# Altium PCB 28Pins_Project_PCB.PcbDoc
Units mm, origin at the board's own origin, x right, y up, seen from the top; angles counter-clockwise.
Board outline 68.58 x 53.34 mm, 2 copper layers (Top Layer, Bottom Layer); 105 components, 71 nets, 322 pads, 54 vias.
Unrouted connection lines stored in the file: 61.
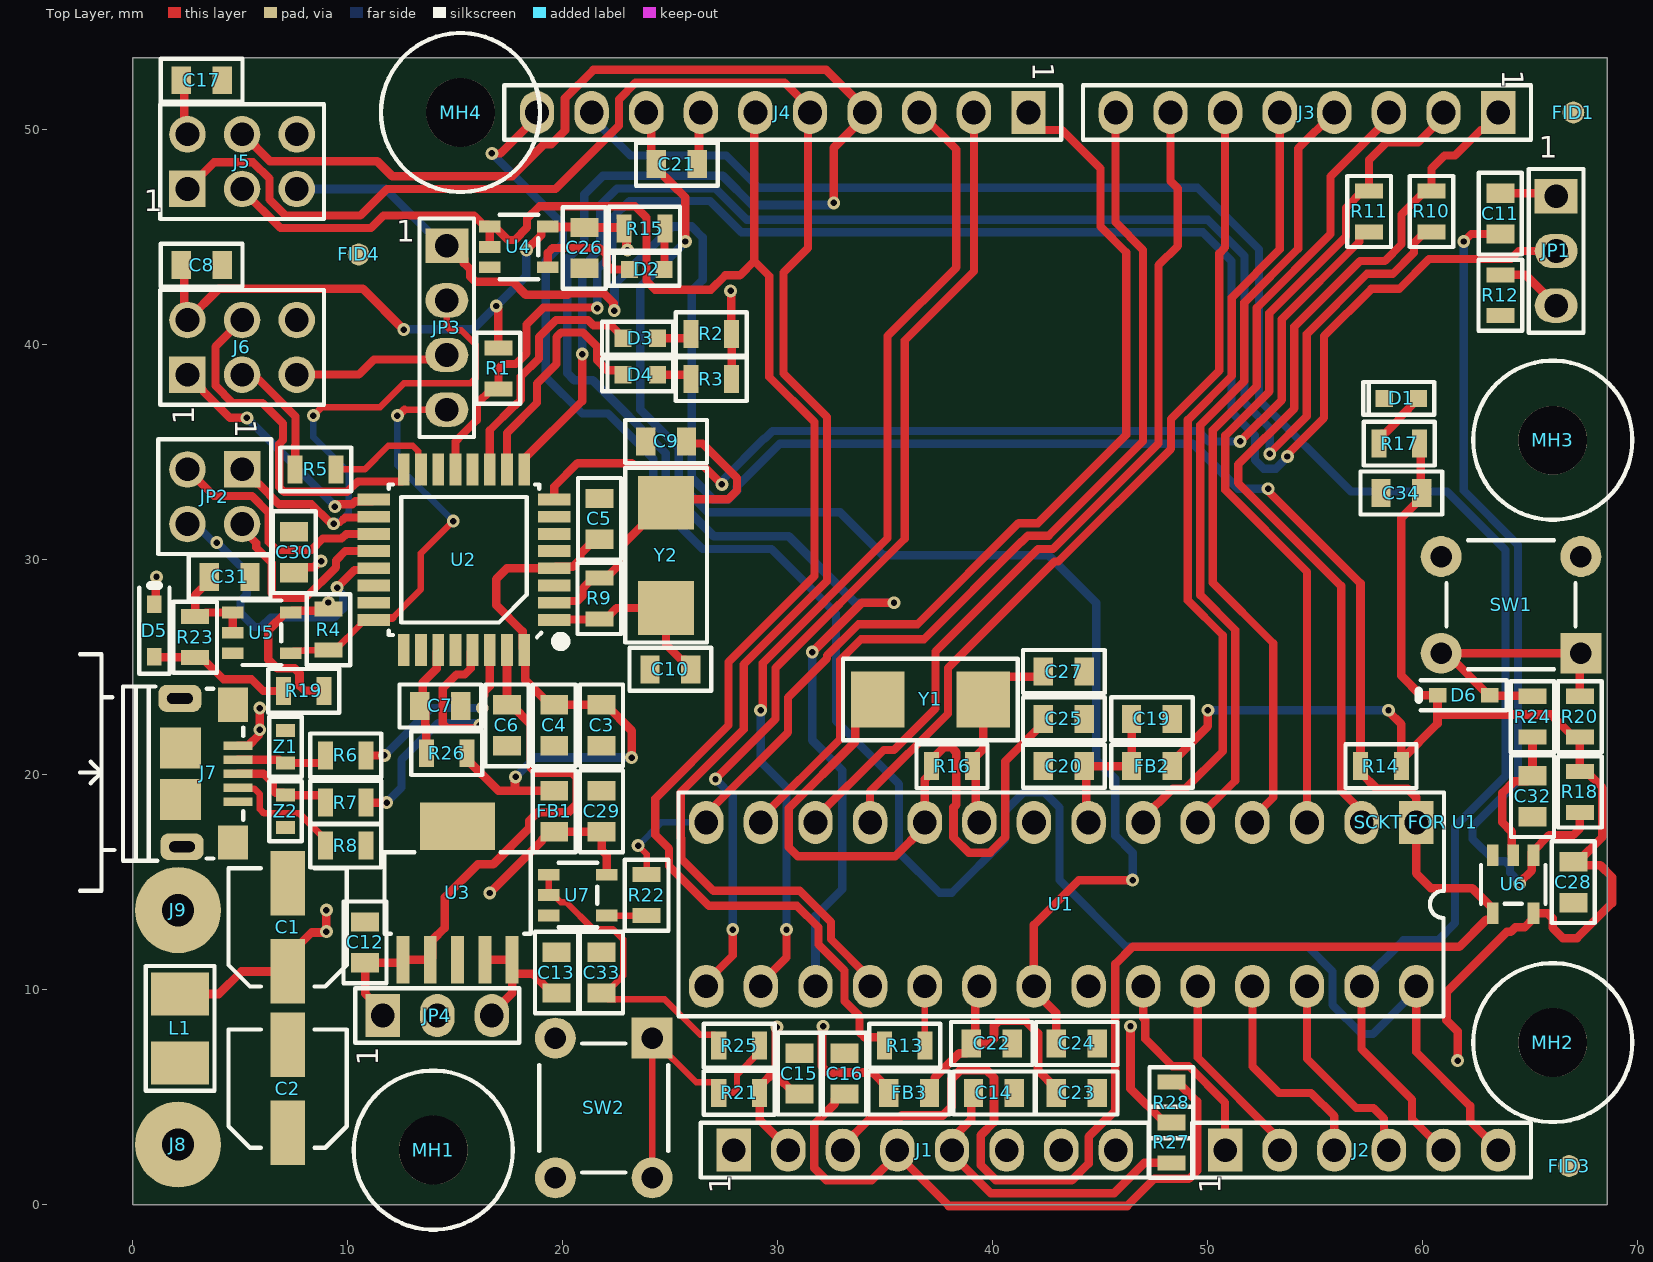
[diagram p0: Top Layer view]
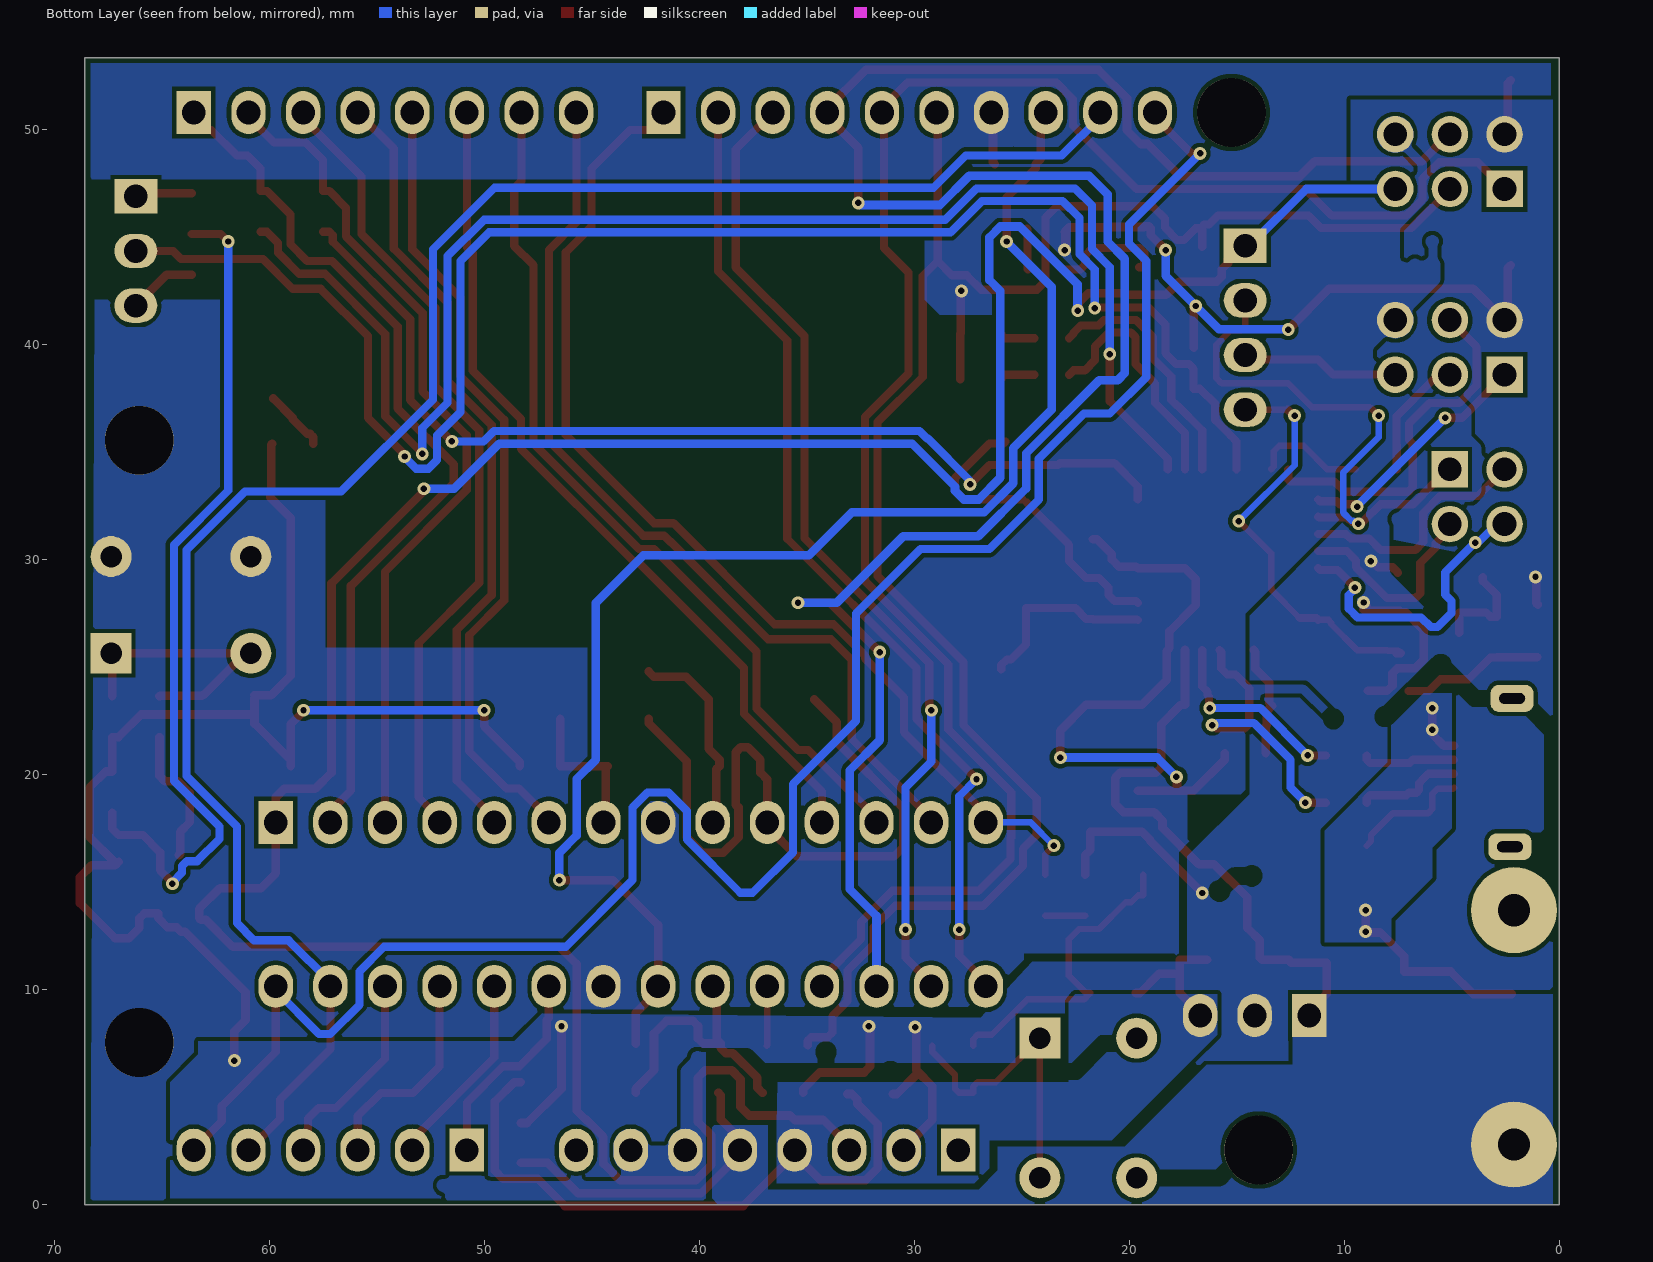
[diagram p1: Bottom Layer view, seen from below]

## Layer stack, top to bottom
Top Solder: solder mask 0.0102, Solder Resist, Dk 3.5
Top Layer: signal copper 0.0356
Dielectric 1: dielectric 0.32, FR-4, Dk 4.8
Bottom Layer: signal copper 0.0356
Bottom Solder: solder mask 0.0102, Solder Resist, Dk 3.5

## Board outline
68.58,0 68.58,53.34 0,53.34 0,0

## Design rules (kind name [scope] priority, off if disabled: settings)
Clearance [All] p1: gap=0.2 ignorepadtopadclearanceinfootprint=FALSE
ComponentClearance "SW2 and FID1" [InComponent('SW2') vs InComponent('FID1')] p1: gap=0 collisioncheckmode=3 verticalgap=0 showdistances=FALSE
ComponentClearance "Power Resistors" [InComponent('R27') vs InComponent('R28')] p2: gap=0 collisioncheckmode=3 verticalgap=0 showdistances=FALSE
ComponentClearance "MH4 to FID4 and J4" [InComponent('MH4') vs InComponent('FID4') or InComponent('J4')] p3: gap=0 collisioncheckmode=3 verticalgap=0 showdistances=FALSE
ComponentClearance "DIP SOCKET to MH2 and U1" [InComponent('SCKT FOR U1') vs InComponent('MH2') or InComponent('U1')] p4: gap=0 collisioncheckmode=3 verticalgap=0 showdistances=FALSE
ComponentClearance "MH2 to J2" [InComponent('MH2') vs InComponent('J2')] p5: gap=0 collisioncheckmode=3 verticalgap=0 showdistances=FALSE
ComponentClearance [All] p6: gap=0.2 collisioncheckmode=3 verticalgap=0.2 showdistances=FALSE
HoleSize [All] p1: absolutevalues=TRUE maxlimit=10 minlimit=0.2 maxpercent=80.000 minpercent=20.000
HoleToHoleClearance [All] p1: gap=0.3 allowstackedmicrovias=TRUE
MinimumSolderMaskSliver [All] p1: minsoldermaskwidth=0.1
PolygonConnect [All] p1: connectstyle=Direct reliefconductorwidth=0.254 reliefentries=4 polygonreliefangle="90 Angle" airgapwidth=0.254
RoutingVias [All] p1: holewidth=0.3 width=0.6 viastyle="Through Hole" minholewidth=0.3 minwidth=0.6 maxholewidth=0.3 maxwidth=0.6
SilkToSilkClearance [All] p1: silktosilkclearance=0.1
SilkToSolderMaskClearance [IsPad] p1: minsilkscreentomaskgap=0.1 clearancetoexposedcopper=TRUE
SolderMaskExpansion [All] p1: expansion=0.1 istentingtop=FALSE
Width "Width POWERS" [InNet('+*') or InNet('GND')] p1: maxlimit=4 minlimit=0.4 preferedwidth=0.4
Width [All] p2: maxlimit=0.5 minlimit=0.3 preferedwidth=0.3
24 further rules are at their usual default settings.

## Components (designator, comment, footprint, x,y, rotation, side; value= is the part's Value field where it differs from the comment)
C1 "100 uF/10V" C_ALU_C_SIZE 7.2,12.9 r90 top
C2 "100 uF/10V" C_ALU_C_SIZE 7.2,5.4 r90 top
C3 "10uF/16V" C0805 21.8,22.3 r90 top
C4 "100nF" C0805 19.6,22.3 r90 top
C5 "100nF" C0805 21.7,31.9 r270 top
C6 "100nF" C0805 17.4,22.3 r90 top
C7 "1uF/25V" C0805 14.3,23.2 r180 top
C8 "100nF" C0805 3.2,43.7 r180 top
C9 "18pF" C0805 24.8,35.5 r0 top
C10 "18pF" C0805 25,24.9 r0 top
C11 "100nF" C0805 63.6,46.1 r270 top
C12 "10uF/16V" C0805 10.8,12.2 r270 top
C13 "10uF/16V" C0805 19.7,10.8 r270 top
C14 "100nF" C0805 40.05,5.2 r180 top
C15 "100nF" C0805 31,6.1 r270 top
C16 "100nF" C0805 33.1,6.1 r270 top
C17 "100nF" C0805 3.2,52.3 r180 top
C19 "10uF/16V" C0805 47.4,22.6 r180 top
C20 "100nF" C0805 43.3,20.4 r0 top
C21 "10uF/16V" C0805 25.3,48.4 r180 top
C22 "10uF/16V" C0805 39.95,7.5 r180 top
C23 "100nF" C0805 43.9,5.2 r180 top
C24 "100nF" C0805 43.9,7.5 r180 top
C25 "18pF" C0805 43.3,22.6 r180 top
C26 "100nF" C0805 21,44.5 r90 top
C27 "18pF" C0805 43.3,24.8 r180 top
C28 "100nF" C0805 67,15 r90 top
C29 "100nF" C0805 21.8,18.3 r270 top
C30 "100nF" C0805 7.5,30.35 r270 top
C31 "100nF" C0805 4.5,29.2 r180 top
C32 "100nF" C0805 65.1,19 r90 top
C33 "100nF" C0805 21.8,10.8 r270 top
C34 "100nF" C0805 59,33.1 r0 top
D1 "Green Led" LED_0603 59,37.5 r0 top
D2 "Orange led" LED_0603 23.9,43.5 r0 top
D3 "Orange led" LED_0603 23.6,40.3 r0 top
D4 "Orange led" LED_0603 23.6,38.6 r0 top
D5 "BAT54HT1G" SOD323 1,26.7 r270 top
D6 "BAT54HT1G" SOD323 61.9,23.7 r0 top
FB1 "MPZ2012S601AT000" C0805 19.6,18.3 r90 top
FB2 "MPZ2012S601AT000" C0805 47.4,20.4 r180 top
FB3 "MPZ2012S601AT000" C0805 36.1,5.2 r0 top
FID1 "FID_1MMC" FID_40x120D 67,50.8 r0 top
FID3 "FID_1MMC" FID_40x120D 66.8,1.8 r90 top
FID4 "FID_1MMC" FID_40x120D 10.5,44.2 r90 top
J1 "HDR FML 1.8 2.54mm" "HDR FML 1x8 2.54mm" 27.94,2.54 r90 top locked
J2 "HDR FML 1.6 2.54mm" "HDR FML 1x6 2.54mm" 50.8,2.54 r90 top locked
J3 "HDR FML 1.8 2.54mm" "HDR FML 1x8 2.54mm" 63.5,50.8 r270 top locked
J4 "HDR FML 1x10 2.54mm" "HDR FML 1x10 2.54mm" 41.656,50.8 r270 top locked
J5 "HDR 2x3" HDR_2x3_2.54MM 2.54,47.244 r90 top locked
J6 "HDR 2x3" HDR_2x3_2.54MM 2.54,38.608 r90 top locked
J7 "10118193-0001LF" 10118193 3.537,20.1 r270 top locked
J8 "4MMx1.5MM" PAD_WITH_HOLE_4MMx1.5MM 2.102,2.8 r0 top
J9 "4MMx1.5MM" PAD_WITH_HOLE_4MMx1.5MM 2.102,13.7 r0 top
JP1 "HDR 1x3" "HDR FML 1x3 2.54mm" 66.2,46.9 r0 top locked
JP2 "HDR 2x2" "HDR 2x2" 5.08,34.2 r270 top locked
JP3 "HDR 1x4" "HDR FML 1x4 2.54mm" 14.6,44.6 r0 top locked
JP4 "HDR 1x3" "HDR FML 1x3 2.54mm" 11.62,8.8 r90 top locked
L1 "2u2/2A" C1210_IND 2.2,8.2 r270 top
MH1 "MH_7.4MMC_3.2MMD" MH_7.4MMD_3.2MMD_NON_COPPER_NPTH 13.97,2.54 r0 top
MH2 "MH_7.4MMC_3.2MMD" MH_7.4MMD_3.2MMD_NON_COPPER_NPTH 66.04,7.541 r0 top
MH3 "MH_7.4MMC_3.2MMD" MH_7.4MMD_3.2MMD_NON_COPPER_NPTH 66.04,35.56 r0 top
MH4 "MH_7.4MMC_3.2MMD" MH_7.4MMD_3.2MMD_NON_COPPER_NPTH 15.24,50.8 r0 top
R1 "100K ohm" R0805 17,38.9 r90 top
R2 "560 ohm" R0805 26.9,40.5 r0 top
R3 "560 ohm" R0805 26.9,38.4 r0 top
R4 "10K" R0805 9.1,26.75 r90 top
R5 "22 Ohm" R0805 8.5,34.2 r180 top
R6 "22 Ohm" R0805 9.9,20.9 r0 top
R7 "22 Ohm" R0805 9.9,18.7 r0 top
R8 "0 ohm" R0805 9.9,16.7 r0 top
R9 "1M" R0805 21.7,28.2 r90 top
R10 "1K" R0805 60.4,46.2 r90 top
R11 "1K" R0805 57.5,46.2 r90 top
R12 "1K" R0805 63.6,42.3 r90 top
R13 "22 Ohm" R0805 35.9,7.4 r180 top
R14 "10K" R0805 58.05,20.4 r0 top
R15 "560 ohm" R0805 23.8,45.4 r180 top
R16 "1M" R0805 38.1,20.4 r180 top
R17 "560 ohm" R0805 58.9,35.4 r0 top
R18 "10K" R0805 67.3,19.2 r90 top
R19 "10K" R0805 7.95,23.9 r0 top
R20 "10K" R0805 67.3,22.7 r270 top
R21 "10K" R0805 28.2,5.2 r0 top
R22 "560 ohm" R0805 23.9,14.4 r90 top
R23 "22 Ohm" R0805 2.9,26.4 r90 top
R24 "22 Ohm" R0805 65.1,22.7 r270 top
R25 "22 Ohm" R0805 28.2,7.4 r180 top
R26 "0 ohm" R0805 14.6,21 r0 top
R27 "0 ohm" R0805 48.3,2.9 r90 top
R28 "0 ohm" R0805 48.3,4.75 r90 top
"SCKT FOR U1" "28-DIP Socket" 28_DIP_7.62MM_SOCKET 59.69,17.78 r270 top locked
SW1 "1825910-6" 1825910-6 64.1,27.9 r270 top
SW2 "1825910-6" 1825910-6 21.9,4.5 r0 top
U1 "ATMEGA328P-PU" 28_DIP_7.62MM 59.69,17.78 r270 top locked
U2 "ATMEGA16U2-AU" TQFP32 15.4,30 r180 top locked
U3 "TL1963A-33DCQR" "DCQ (R-PDSO-G6)" 15.1,14.5 r90 top
U4 "SN74AHC1G09DBVR" DBC_SOT_23_5 17.95,44.55 r0 top
U5 "SN74AHC1G09DBVR" DBC_SOT_23_5 6,26.6 r0 top
U6 "SN74AHC1G09DBVR" DBC_SOT_23_5 64.2,14.9 r270 top
U7 "SN74AHC1G09DBVR" DBC_SOT_23_5 20.7,14.4 r0 top
Y1 "16MHz" "16 MHzCrystal" 37.1,23.5 r180 top
Y2 "16MHz" "16 MHzCrystal" 24.8,30.2 r90 top
Z1 "CG0603MLC-05E" R0603 7.1,21.3 r270 top
Z2 "CG0603MLC-05E" R0603 7.1,18.3 r90 top

## Footprints (in the part's own frame and the unit in brackets; to place one, negate y for a bottom-side part, rotate by r counter-clockwise, add the part's x,y. Pads: shape width x height; smd on the part's side, far side on the other; paste and mask are expansions set on the pad)
"16 MHzCrystal" [mm]
  rect 2.5x2.6 smd: 1(-2.45,0) 2(2.45,0)
  silkscreen extent -4.05,-1.9 4.08,1.9, body extent -3.1,-1.9 3.1,1.8, height 1.41
28_DIP_7.62MM [mm]
  rect 2x1.6 hole 1.1: 1(0,0)
  oval 2x1.6 hole 1.1: 2(0,-2.54) 3(0,-5.08) 4(0,-7.62) 5(0,-10.16) 6(0,-12.7) 7(0,-15.24) 8(0,-17.78) 9(0,-20.32) 10(0,-22.86) 11(0,-25.4) 12(0,-27.94) 13(0,-30.48) 14(0,-33.02) 15(7.62,-33.02) 16(7.62,-30.48) 17(7.62,-27.94) 18(7.62,-25.4) 19(7.62,-22.86) 20(7.62,-20.32) 21(7.62,-17.78) 22(7.62,-15.24) 23(7.62,-12.7) 24(7.62,-10.16) 25(7.62,-7.62) 26(7.62,-5.08) 27(7.62,-2.54) 28(7.62,0)
  silkscreen extent -1.39,-34.31 9.01,1.29, body extent -0.06,-34.48 7.81,1.46, height 7.55
28_DIP_7.62MM_SOCKET [mm]
  body extent -1.14,-34.26 8.96,1.24, height 4.2
1825910-6 [mm]
  rect 1.9x1.9 hole 1: 1(2.25,3.25)
  round 1.9 hole 1: 2(2.25,-3.25) 3(-2.25,3.25) 4(-2.25,-3.25)
  silkscreen extent -3,-3 3,3, body extent -3,-4 2.99,3.8, height 5.01
10118193 [mm]
  rect 0.4x1.35 smd mask+0.05: 1(-1.25,1.35) 2(-0.6,1.35) 3(0.05,1.35) 4(0.7,1.35) 5(1.35,1.35)
  rect 1.6x1.4 smd mask+0.05: 6(-3.15,1.125) 7(3.25,1.125)
  rrect60% 1.25x2 hole 0.5 slot 1.2 at 90 deg mask+0.05: 8(-3.45,-1.35) 9(3.45,-1.25)
  rect 1.9x1.9 smd mask+0.05: 10(-1.15,-1.325) 11(1.25,-1.325)
  silkscreen extent -5.5,-6 5.5,1.6, body extent -3.97,-3.93 4.07,1.65, height 2.69
C0805 [mm]
  rect 0.9x1.3 smd: 1(-0.95,0) 2(0.95,0)
  silkscreen extent -1.9,-1 1.9,1, body extent -1,-0.6 1,0.6, height 1.45
C1210_IND [mm]
  rect 2x2.7 smd: 1(-1.6,0) 2(1.6,0)
  silkscreen extent -2.9,-1.6 2.9,1.6, body extent -1.7,-1.2 1.7,1.2, height 2.7
C_ALU_C_SIZE [mm]
  rect 3x1.6 smd: 1(-2.05,0) 2(2.05,0)
  silkscreen extent -2.75,-2.75 2.75,2.75, body extent -2.95,-2.65 2.95,2.65, height 5.41
DBC_SOT_23_5 [mm]
  rect 1x0.55 smd: 1(-1.35,0.95) 2(-1.35,0) 3(-1.35,-0.95) 4(1.35,-0.95) 5(1.35,0.95)
  silkscreen extent -0.9,-1.5 0.9,1.5, body extent -1.51,-1.53 1.51,1.52, height 1.6
"DCQ (R-PDSO-G6)" [mm]
  rect 2.2x0.6 smd: 1(-3.1,2.54) 2(-3.1,1.27) 3(-3.1,0) 4(-3.1,-1.27) 5(-3.1,-2.54)
  rect 2.2x3.5 smd: 6(3.1,0)
  silkscreen extent -1.9,-3.4 1.9,3.4, body extent -3.63,-3.28 3.63,3.27, height 1.79
FID_40x120D [mil]
  round 40 smd mask+40: 1(0,0)
"HDR 2x2" [mm]
  rect 1.7x1.7 hole 1.1: 1(0,0)
  round 1.7 hole 1.1: 2(2.54,0) 3(0,-2.54) 4(2.54,-2.54)
  silkscreen extent -1.4,-3.9 3.94,1.35, body extent -1.23,-3.8 3.77,1.25, height 3
"HDR FML 1x3 2.54mm" [mm]
  rect 2x1.6 hole 1.1: 1(0,0)
  oval 2x1.6 hole 1.1: 2(0,-2.54) 3(0,-5.08)
  silkscreen extent -1.27,-6.35 1.27,1.27, body extent -1.14,-6.15 1.27,1.07, height 8.19
"HDR FML 1x4 2.54mm" [mm]
  rect 2x1.6 hole 1.1: 1(0,0)
  oval 2x1.6 hole 1.1: 2(0,-2.54) 3(0,-5.08) 4(0,-7.62)
  silkscreen extent -1.27,-8.89 1.27,1.27, body extent -1.27,-8.69 1.14,1.07, height 8.19
"HDR FML 1x6 2.54mm" [mm]
  rect 2x1.6 hole 1.1: 1(0,0)
  oval 2x1.6 hole 1.1: 2(0,-2.54) 3(0,-5.08) 4(0,-7.62) 5(0,-10.16) 6(0,-12.7)
  silkscreen extent -1.27,-14.22 1.27,1.52, body extent -1.23,-14.17 1.27,1.47, height 8.65
"HDR FML 1x8 2.54mm" [mm]
  rect 2x1.6 hole 1.1: 1(0,0)
  oval 2x1.6 hole 1.1: 2(0,-2.54) 3(0,-5.08) 4(0,-7.62) 5(0,-10.16) 6(0,-12.7) 7(0,-15.24) 8(0,-17.78)
  silkscreen extent -1.27,-19.3 1.27,1.52, body extent -1.23,-19.25 1.27,1.47, height 8.6
"HDR FML 1x10 2.54mm" [mm]
  rect 2x1.6 hole 1.1: 1(0,0)
  oval 2x1.6 hole 1.1: 2(0,-2.54) 3(0,-5.08) 4(0,-7.62) 5(0,-10.16) 6(0,-12.7) 7(0,-15.24) 8(0,-17.78) 9(0,-20.32) 10(0,-22.86)
  silkscreen extent -1.27,-24.38 1.27,1.52, body extent -1.25,-24.28 1.25,1.52, height 8.64
HDR_2x3_2.54MM [mm]
  rect 1.7x1.7 hole 1.1: 1(0,0)
  round 1.7 hole 1.1: 2(2.54,0) 3(0,-2.54) 4(2.54,-2.54) 5(0,-5.08) 6(2.54,-5.08)
  silkscreen extent -1.4,-6.35 3.94,1.27, body extent -1.27,-6.48 3.81,1.14, height 8.96
LED_0603 [mm]
  rect 0.8x0.8 smd: 1(-0.8,0) 2(0.8,0)
  silkscreen extent -1.78,-0.76 1.52,0.76, body extent -0.85,-0.4 0.85,0.4, height 0.66
MH_7.4MMD_3.2MMD_NON_COPPER_NPTH [mm]
  round 3.2 hole 3.2 unplated: 1(0,0)
  silkscreen extent -3.7,-3.7 3.7,3.7
PAD_WITH_HOLE_4MMx1.5MM [mm]
  round 4 hole 1.5: 1(0,0)
R0603 [mm]
  rect 0.6x0.9 smd: 1(-0.75,0) 2(0.75,0)
  silkscreen extent -1.4,-0.76 1.4,0.76, body extent -0.8,-0.43 0.8,0.41, height 0.81
R0805 [mm]
  rect 0.7x1.3 smd: 1(-0.95,0) 2(0.95,0)
  silkscreen extent -1.65,-1.02 1.65,1.02, body extent -1,-0.6 1,0.6, height 0.61
SOD323 [mil]
  rect 32x27 smd: 1(-48,0) 2(48,0)
  silkscreen extent -83,-28 79,28, body extent -48,-24 50,26, height 36
TQFP32 [mm]
  rect 1.5x0.55 smd paste+0 mask+0.06: 1(-4.2,2.8) 2(-4.2,2) 3(-4.2,1.2) 4(-4.2,0.4) 5(-4.2,-0.4) 6(-4.2,-1.2) 7(-4.2,-2) 8(-4.2,-2.8) 17(4.2,-2.8) 18(4.2,-2) 19(4.2,-1.2) 20(4.2,-0.4) 21(4.2,0.4) 22(4.2,1.2) 23(4.2,2) 24(4.2,2.8)
  rect 0.55x1.5 smd paste+0 mask+0.06: 9(-2.8,-4.2) 10(-2,-4.2) 11(-1.2,-4.2) 12(-0.4,-4.2) 13(0.4,-4.2) 14(1.2,-4.2) 15(2,-4.2) 16(2.8,-4.2) 25(2.8,4.2) 26(2,4.2) 27(1.2,4.2) 28(0.4,4.2) 29(-0.4,4.2) 30(-1.2,4.2) 31(-2,4.2) 32(-2.8,4.2)
  silkscreen extent -4.7,-3.5 3.5,4, body extent -4.6,-4.6 4.6,4.6, height 1.2

## Part data
C1 C2: library part EEE-1AA101WR, "CAP ALUM 100UF 20% 10V SMD", Capacitance=100uF, Case/Package=Radial, Manufacturer=Panasonic, Max Operating Temperature=85°C, Min Operating Temperature=-40°C, Package Quantity=1, Ripple Current=50mA, Supplier Part Number 1=53W3749, Tolerance=20%, Voltage Rating=10V, Category="Aluminum Electrolytic Capacitors", ComponentLink1Description=https://datasheet.ciiva.com/26945/getdatasheetpartid-169213-26945071.pdf?src-supplier=Verical, ComponentLink1URL=https://datasheet.ciiva.com/26945/getdatasheetpartid-169213-26945071.pdf?src-supplier=Verical, ComponentLink2Description=https://datasheet.ciiva.com/24027/aba0000ce2-40801-24027541.pdf?src-supplier=Mouser, ComponentLink2URL=https://datasheet.ciiva.com/24027/aba0000ce2-40801-24027541.pdf?src-supplier=Mouser, ComponentLink3Description=https://datasheet.ciiva.com/14598/70255710-14598233.pdf?src-supplier=Allied+Electronics, ComponentLink3URL=https://datasheet.ciiva.com/14598/70255710-14598233.pdf?src-supplier=Allied+Electronics, ComponentLink4Description=https://datasheet.ciiva.com/14605/70255710-14605689.pdf?src-supplier=Allied+Electronics, ComponentLink4URL=https://datasheet.ciiva.com/14605/70255710-14605689.pdf?src-supplier=Allied+Electronics, ComponentLink5Description=https://datasheet.ciiva.com/11673/aba0000ce2-11673882.pdf?src-supplier=Avnet, ComponentLink5URL=https://datasheet.ciiva.com/11673/aba0000ce2-11673882.pdf?src-supplier=Avnet, ComponentLink6Description=https://datasheet.ciiva.com/16427/aba0000ce2-16427544.pdf?src-supplier=Future+Electronics, ComponentLink6URL=https://datasheet.ciiva.com/16427/aba0000ce2-16427544.pdf?src-supplier=Future+Electronics, ComponentLink7Description=https://datasheet.ciiva.com/2983/aba0000ce2-2983906.pdf?src-supplier=Avnet, ComponentLink7URL=https://datasheet.ciiva.com/2983/aba0000ce2-2983906.pdf?src-supplier=Avnet, ComponentLink8Description=https://datasheet.ciiva.com/30075/11aba0000ce2-30075303.pdf?src-supplier=Onlinecomponents.com, ComponentLink8URL=https://datasheet.ciiva.com/30075/11aba0000ce2-30075303.pdf?src-supplier=Onlinecomponents.com, Construction=Cylindrical, Contact Plating=Tin, Diameter=5mm, Height=5.4mm, Height - Seated (Max)=0.213inch, Lead Free="Lead Free", Length=5.5mm, Life (Hours)=1000Hour, Manufacturer Part Number=EEE-1AA101WR, Mount="Surface Mount,PCB", Packaging="Tape and Reel", Pricing 1="1=0,36200, 10=0,25300, 25=0,20800, 50=0,16400, 100=0,11900 (USD)", Radiation Hardening=No, REACH SVHC=Unknown, Ripple Current (AC)=50mA, RoHS=Yes, RoHS Compliant=Yes, Series=S, Stock 1=31, Supplier 1=Avnet, Termination=SMD/SMT, Voltage Rating (DC)=10V
C3 C12 C13 C19 C21 C22: library part C2012X5R1C106M085AC, "TDK - C2012X5R1C106M085AC - SMD Multilayer Ceramic Capacitor, 10 µF, 16 V, 0805 [2012 Metric], ± 20%, X5R, C Series TDK", Capacitance=10uF, Case Code (Metric)=2012, Case Code (Imperial)=0805, Dielectric=X5R, Dielectric Material=Ceramic, Manufacturer=TDK, Max Operating Temperature=85°C, Min Operating Temperature=-55°C, Package Quantity=4000, Supplier Part Number 1=445-7645-1-ND, Tolerance=20%, Voltage=16V, Case/Package=0805, Category="Ceramic Capacitors", ComponentLink1Description=https://datasheet.ciiva.com/24218/c2012x5r1c106m085ac-265002-24218340.pdf?src-supplier=Mouser, ComponentLink1URL=https://datasheet.ciiva.com/24218/c2012x5r1c106m085ac-265002-24218340.pdf?src-supplier=Mouser, ComponentLink2Description=https://datasheet.ciiva.com/11788/0900766b80c1bb00-11788108.pdf?src-supplier=RSComponents, ComponentLink2URL=https://datasheet.ciiva.com/11788/0900766b80c1bb00-11788108.pdf?src-supplier=RSComponents, ComponentLink3Description=https://datasheet.ciiva.com/6290/tdkmlcccaprange-6290485.pdf?src-supplier=Digi-Key, ComponentLink3URL=https://datasheet.ciiva.com/6290/tdkmlcccaprange-6290485.pdf?src-supplier=Digi-Key, ComponentLink4Description=https://datasheet.ciiva.com/22725/1913358-22725557.pdf?src-supplier=Element14, ComponentLink4URL=https://datasheet.ciiva.com/22725/1913358-22725557.pdf?src-supplier=Element14, ComponentLink5Description=https://datasheet.ciiva.com/6290/tdkmlcccaprange-6290487.pdf?src-supplier=Digi-Key, ComponentLink5URL=https://datasheet.ciiva.com/6290/tdkmlcccaprange-6290487.pdf?src-supplier=Digi-Key, ComponentLink6Description=https://datasheet.ciiva.com/16449/e412-c-16449591.pdf?src-supplier=Future+Electronics, ComponentLink6URL=https://datasheet.ciiva.com/16449/e412-c-16449591.pdf?src-supplier=Future+Electronics, ComponentLink7Description=https://datasheet.ciiva.com/23803/1796654-23803021.pdf?src-supplier=Newark, ComponentLink7URL=https://datasheet.ciiva.com/23803/1796654-23803021.pdf?src-supplier=Newark, Depth=1.25mm, Height=0.85mm, Lead Free="Lead Free", Length=2mm, Manufacturer Part Number=C2012X5R1C106M085AC, Mount="Surface Mount", Number of Pins=2, Packaging="Tape and Reel", Pricing 1="1=0,29000, 10=0,19800, 50=0,11900, 100=0,10050, 500=0,06876, 1000=0,06084 (USD)", REACH SVHC="No SVHC", Resistor Type=Ceramic, RoHS=Yes, Stock 1=75675, Supplier 1=Digi-Key, Termination=SMD/SMT, Thickness=0.037inch, Voltage Rating=16V, Voltage Rating (DC)=16V, Weight=0.000194oz, Width=0.049inch
C4 C5 C6 C8 C11 C14 C15 C16 C17 C20 C23 C24 C26 C28 C29 C30 C31 C32 C33 C34: library part C2012X7R1H104K085AA, "TDK - C2012X7R1H104K085AA - SMD Multilayer Ceramic Capacitor, 0.1 µF, 50 V, 0805 [2012 Metric], ± 10%, X7R, C Series", Case Code (Metric)=2012, Case Code (Imperial)=0805, Dielectric=X7R, Dielectric Material=Ceramic, Manufacturer=TDK, Max Operating Temperature=125°C, Min Operating Temperature=-55°C, Package Quantity=1, Supplier Part Number 1=445-7534-1-ND, Tolerance=10%, Voltage=50V, Capacitance=100nF, Case/Package=0805, Category="Ceramic Capacitors", ComponentLink1Description=https://datasheet.ciiva.com/11788/0900766b80c1bb00-11788128.pdf?src-supplier=RSComponents, ComponentLink1URL=https://datasheet.ciiva.com/11788/0900766b80c1bb00-11788128.pdf?src-supplier=RSComponents, ComponentLink2Description=https://datasheet.ciiva.com/6250/tdkmlcccaprange-6250821.pdf?src-supplier=Digi-Key, ComponentLink2URL=https://datasheet.ciiva.com/6250/tdkmlcccaprange-6250821.pdf?src-supplier=Digi-Key, ComponentLink3Description=https://datasheet.ciiva.com/24191/e412-c-24191447.pdf?src-supplier=Future+Electronics, ComponentLink3URL=https://datasheet.ciiva.com/24191/e412-c-24191447.pdf?src-supplier=Future+Electronics, ComponentLink4Description=https://datasheet.ciiva.com/6250/tdkmlcccaprange-6250824.pdf?src-supplier=Digi-Key, ComponentLink4URL=https://datasheet.ciiva.com/6250/tdkmlcccaprange-6250824.pdf?src-supplier=Digi-Key, ComponentLink5Description=https://datasheet.ciiva.com/23803/1796654-23803035.pdf?src-supplier=Newark, ComponentLink5URL=https://datasheet.ciiva.com/23803/1796654-23803035.pdf?src-supplier=Newark, ComponentLink6Description=https://datasheet.ciiva.com/28602/1571323-28602204.pdf?src-supplier=Element14, ComponentLink6URL=https://datasheet.ciiva.com/28602/1571323-28602204.pdf?src-supplier=Element14, Construction=Flat, Depth=1.25mm, Height=0.85mm, Lead Free="Lead Free", Length=2mm, Manufacturer Part Number=C2012X7R1H104K085AA, Mount="Surface Mount", Number of Pins=2, Packaging="Tape and Reel", Pricing 1="1=0,15000, 10=0,10900, 50=0,06160, 100=0,05100, 500=0,03578, 1000=0,02962 (USD)", Radiation Hardening=No, REACH SVHC="No SVHC", Resistor Type=Ceramic, RoHS=Yes, RoHS Compliant=Yes, Series=C, Stock 1=111689, Supplier 1=Digi-Key, Termination=SMD/SMT, Thickness=0.037inch, Voltage Rating=50V, Voltage Rating (DC)=50V, Weight=0.000194oz, Width=0.049inch
C7: library part C2012X5R1E105K125AA, "TDK - C2012X5R1E105K125AA - SMD Multilayer Ceramic Capacitor, 1 µF, 25 V, 0805 [2012 Metric], ± 10%, X5R, C Series", Capacitance=1uF, Case Code (Metric)=2012, Case Code (Imperial)=0805, Dielectric=X5R, Dielectric Material=Ceramic, Manufacturer=TDK, Max Operating Temperature=85°C, Min Operating Temperature=-55°C, Package Quantity=2000, Supplier Part Number 1=445-1419-1-ND, Tolerance=10%, Voltage=25V, Case/Package=0805, Category="Ceramic Capacitors", ComponentLink1Description=https://datasheet.ciiva.com/11787/0900766b80c1bb00-11787608.pdf?src-supplier=RSComponents, ComponentLink1URL=https://datasheet.ciiva.com/11787/0900766b80c1bb00-11787608.pdf?src-supplier=RSComponents, ComponentLink2Description=https://datasheet.ciiva.com/16449/e412-c-16449595.pdf?src-supplier=Future+Electronics, ComponentLink2URL=https://datasheet.ciiva.com/16449/e412-c-16449595.pdf?src-supplier=Future+Electronics, ComponentLink3Description=https://datasheet.ciiva.com/28602/1744655-28602171.pdf?src-supplier=Element14, ComponentLink3URL=https://datasheet.ciiva.com/28602/1744655-28602171.pdf?src-supplier=Element14, ComponentLink4Description=https://datasheet.ciiva.com/15192/getdatasheetpartid-726707-15192140.pdf?src-supplier=Verical, ComponentLink4URL=https://datasheet.ciiva.com/15192/getdatasheetpartid-726707-15192140.pdf?src-supplier=Verical, Construction=Flat, Depth=1.25mm, Height=1.25mm, Lead Free="Lead Free", Length=2mm, Manufacturer Part Number=C2012X5R1E105K125AA, Mount="Surface Mount", Number of Pins=2, Packaging="Tape and Reel", Pricing 1="1=0,24000, 10=0,16600, 50=0,09940, 100=0,08390, 500=0,05740, 1000=0,05078 (USD)", Radiation Hardening=No, REACH SVHC="No SVHC", Resistor Type=Ceramic, RoHS=Yes, RoHS Compliant=Yes, Series=C, Stock 1=114852, Supplier 1=Digi-Key, Termination=SMD/SMT, Thickness=0.057inch, Voltage Rating=25V, Voltage Rating (DC)=25V, Weight=0.000194oz, Width=0.049inch
C9 C10 C25 C27: library part C0805C180J5GACTU, "CAP CER 18PF 50V C0G/NP0 0805", Case Code (Metric)=2012, Case Code (Imperial)=0805, Dielectric=C0G, Dielectric Material=Ceramic, Manufacturer=KEMET, Max Operating Temperature=125°C, Min Operating Temperature=-55°C, Package Quantity=1, Supplier Part Number 1=399-1112-1-ND, Temperature Coefficient=30ppm/°C, Tolerance=5%, Voltage=50V, Capacitance=18pF, Case/Package=0805, Category="Ceramic Capacitors", ComponentLink1Description=https://datasheet.ciiva.com/22746/1769375-22746770.pdf?src-supplier=Element14, ComponentLink1URL=https://datasheet.ciiva.com/22746/1769375-22746770.pdf?src-supplier=Element14, ComponentLink2Description=https://datasheet.ciiva.com/26923/getdatasheetpartid-759702-26923980.pdf?src-supplier=Verical, ComponentLink2URL=https://datasheet.ciiva.com/26923/getdatasheetpartid-759702-26923980.pdf?src-supplier=Verical, ComponentLink3Description=https://datasheet.ciiva.com/26847/getdatasheetpartid-385668-26847862.pdf?src-supplier=Verical, ComponentLink3URL=https://datasheet.ciiva.com/26847/getdatasheetpartid-385668-26847862.pdf?src-supplier=Verical, Construction=Flat, Contact Material=Tin, Contact Plating=Tin,Matte, Depth=1.25mm, Dissipation Factor=0.1%, Height=0.78mm, Lead Free="Lead Free", Lead Pitch=0.75mm, Length=2mm, Manufacturer Part Number=C0805C180J5GACTU, Mount="Surface Mount,PCB", Number of Pins=2, Packaging="Tape and Reel", Pricing 1="1=0,13000, 10=0,09000, 50=0,05140, 100=0,04250, 500=0,02982, 1000=0,02468 (USD)", Radiation Hardening=No, REACH SVHC="No SVHC", RoHS=Yes, RoHS Compliant=Yes, Series=C, Stock 1=1, Supplier 1=Digi-Key, Termination=SMD/SMT, Thickness=0.035inch, Voltage Rating=50V, Voltage Rating (DC)=50V, Width=1.2mm